# Altium PCB Test.PcbDoc (part 1 of 7) (continued)
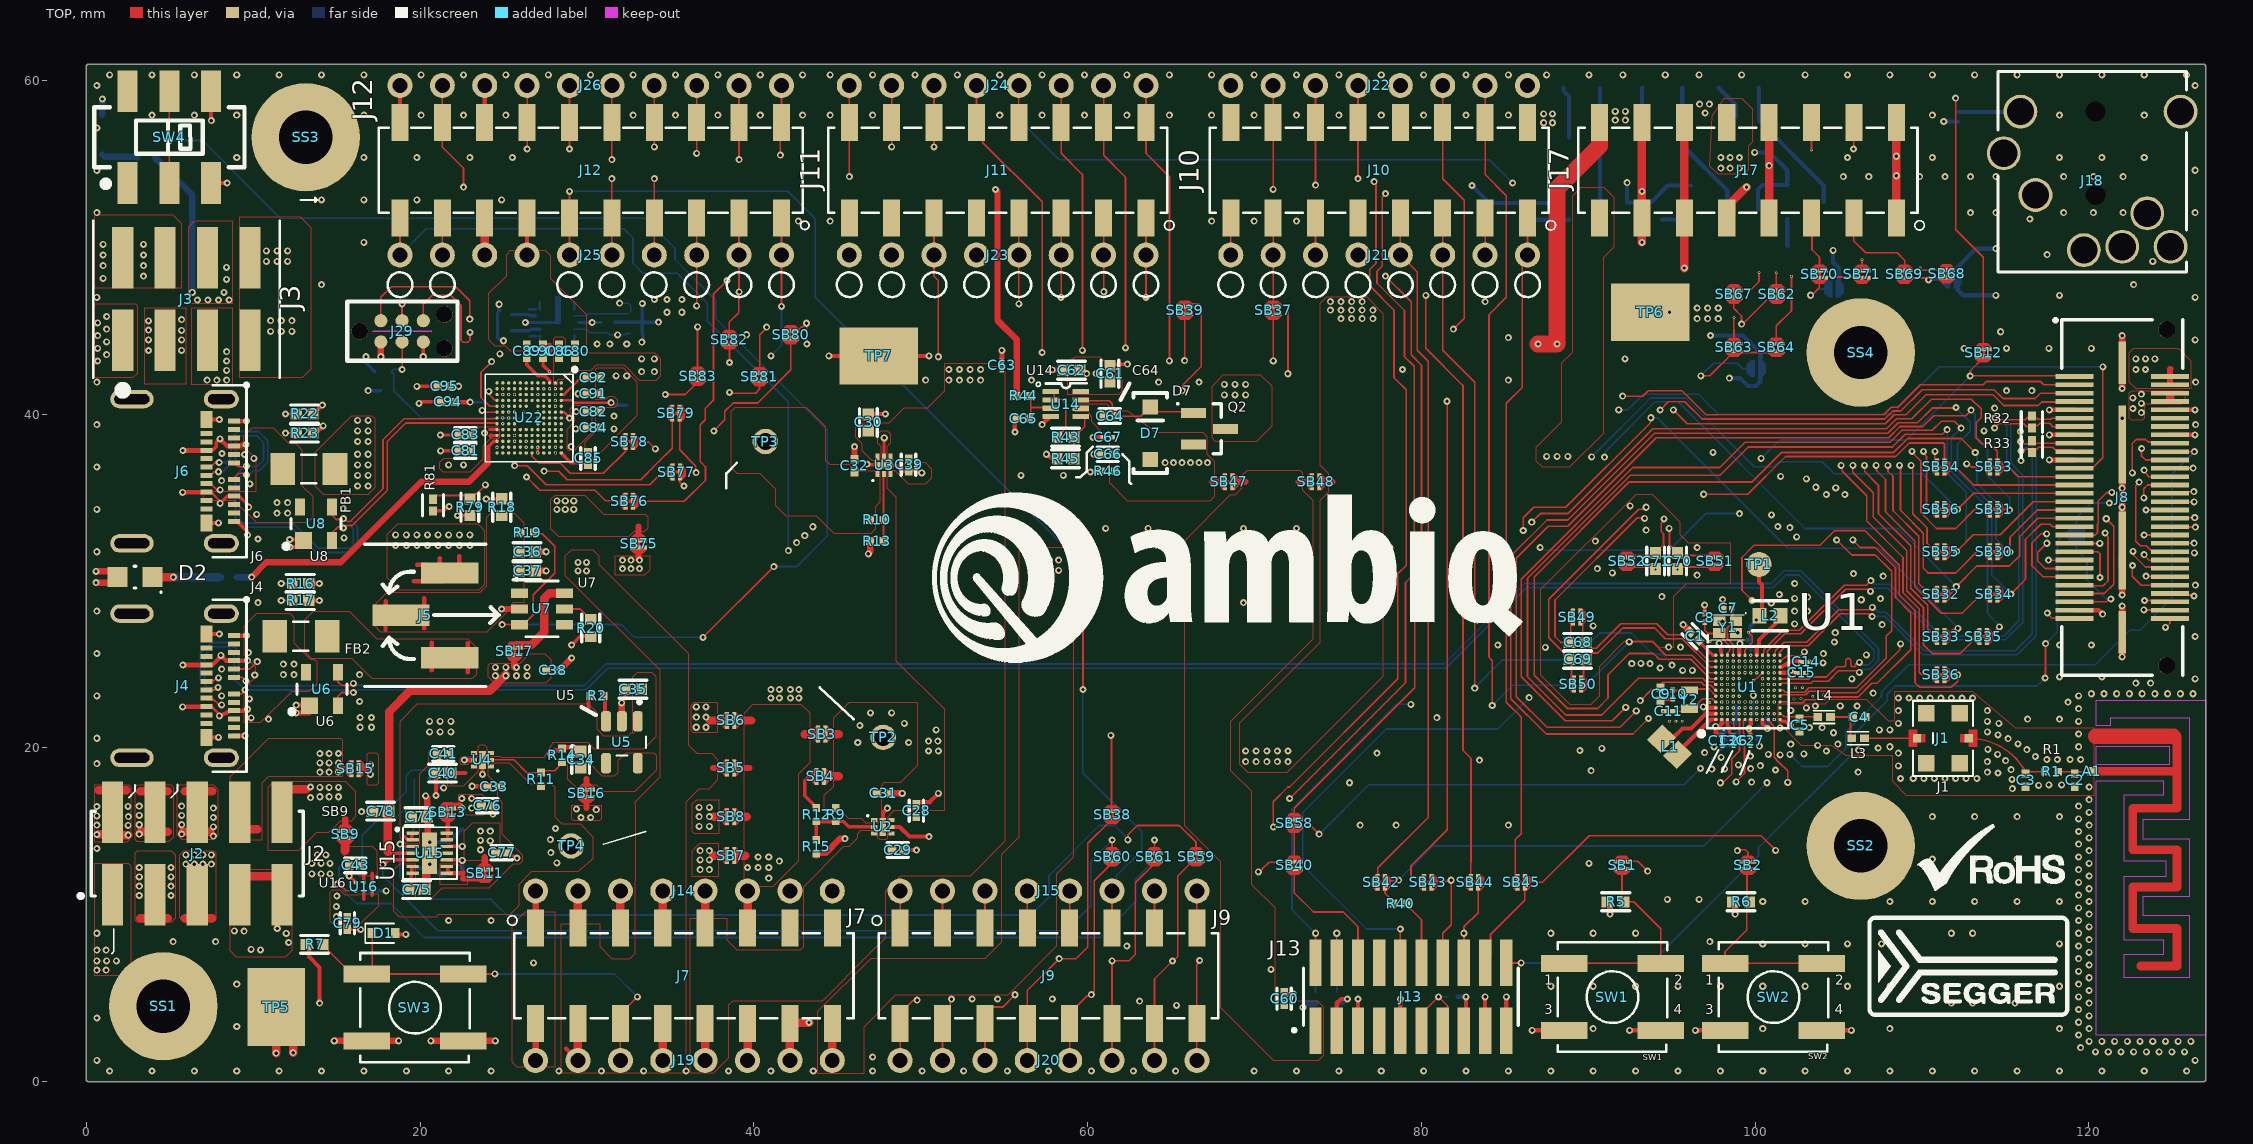
[diagram p0: TOP view]
## Components (designator, comment, footprint, x,y, rotation, side; value= is the part's Value field where it differs from the comment)
A1 "MIFA Antenna" PCB_MIFA_ANTENNA 120.17,18.59 r0 top
C1 "100nF" IPC_A#1 96.368,26.695 r135 top
C2 "2pF" IPC_C#1 119.151,18.059 r270 top
C3 "2pF" IPC_C#1 116.205,18.059 r270 top
C4 "1.5pF" IPC_C#1 106.223,21.844 r0 top
C5 "2pF" IPC_C#1 102.667,21.361 r270 top
C6 "4.7uF" IPC_C#1 100.228,25.857 r0 bottom
C7 "4pF" IPC_C#2 98.346,28.358 r180 top
C8 "4pF" IPC_C#2 96.979,27.786 r90 top
C9 "4.7nF" IPC_C#1 94.336,23.216 r270 top
C10 "6pF" IPC_C#2 95.072,23.216 r270 top
C11 "6pF" IPC_C#2 94.793,22.2 r180 top
C12 "2.2uF" IPC_C#2 98.222,21.234 r90 bottom
C13 "1uF" IPC_C#2 98.044,20.422 r270 top
C14 "1uF" IPC_C#2 103.022,25.146 r0 top
C15 "1uF" IPC_C#2 102.768,24.486 r0 top
C16 "1uF" IPC_C#2 96.901,21.285 r180 bottom
C17 "2.2uF" IPC_C#2 101.651,26.187 r270 bottom
C18 "2.2uF" IPC_C#2 97.993,25.527 r90 bottom
C19 "2.2uF" IPC_C#2 98.019,26.822 r180 bottom
C20 "1uF" IPC_C#2 100.736,22.073 r90 bottom
C21 "2.2uF" IPC_C#2 102.464,24.003 r0 bottom
C22 "2.2uF" IPC_C#2 102.337,23.139 r0 bottom
C23 "2.2uF" IPC_C#2 98.298,24.587 r0 bottom
C24 "2.2uF" IPC_C#2 97.282,22.047 r0 bottom
C25 "2.2uF" IPC_C#2 98.882,21.184 r270 bottom
C26 "2.2uF" IPC_C#2 98.704,20.422 r270 top
C27 "2.2uF" IPC_C#2 99.72,20.422 r270 top
C28 "1uF" IPC_A#1 49.737,16.237 r90 top
C29 "100nF" IPC_A#1 48.631,13.874 r0 top
C30 "1uF" IPC_A#2 46.863,39.497 r90 top
C31 "2.2uF" IPC_C#1 47.752,17.272 r0 top
C32 "2.2uF" IPC_C#1 46.03,36.905 r90 top
C33 "2.2uF" IPC_C#1 24.429,17.671 r180 top
C34 "1uF" IPC_A#2 29.624,19.289 r90 top
C35 "1uF" IPC_A#2 32.758,23.506 r180 top
C36 "0.1uF" IPC_A#2 26.416,31.75 r0 top
C37 "1uF" IPC_A#2 26.416,30.607 r0 top
C38 "4.7uF" IPC_C#1 27.94,24.638 r0 top
C39 "100nF" IPC_A#1 49.276,36.957 r270 top
C40 "1uF" IPC_A#2 21.338,18.488 r180 top
C41 "100nF" IPC_A#1 21.389,19.647 r180 top
C42 "2.2uF" IPC_C#2 97.434,23.312 r90 bottom
C43 "1uF" IPC_A#1 16.129,12.954 r180 top
C44 "1nF" IPC_C#1 25.019,46.057 r180 bottom
C45 "1nF" IPC_C#1 25.019,45.085 r180 bottom
C46 "100nF" IPC_B 27.593,47.463 r0 bottom
C47 "1uF" IPC_A#1 31.242,45.466 r0 bottom
C60 "1uF" IPC_A#1 71.78,4.978 r90 top
C61 "0.1uF" IPC_A#2 61.341,42.418 r90 top
C62 "0.1uF" IPC_A#2 59.033,42.624 r180 top
C63 "1uF" IPC_C#2 54.864,42.926 r90 top
C64 "100nF" IPC_A#1 61.341,39.878 r180 top locked
C65 "1nF" IPC_C#1 56.137,39.724 r180 top
C66 "100nF" IPC_A#1 61.214,37.592 r180 top
C67 "1uF" IPC_C#2 61.214,38.608 r180 top
C68 "0.1uF" IPC_A#2 89.357,26.314 r180 top
C69 "0.1uF" IPC_A#2 89.357,25.298 r180 top
C70 "0.1uF" IPC_A#2 95.352,31.191 r90 top
C71 "0.1uF" IPC_A#2 94.031,31.191 r90 top
C72 "1nF" IPC_C#1 22.53,14.605 r90 bottom
C73 "1nF" IPC_C#1 22.022,12.37 r180 bottom
C74 "1uF" IPC_A#2 19.939,15.875 r0 top
C75 "1uF" IPC_A#2 19.787,11.506 r0 top
C76 "100nF" IPC_A#1 24.022,16.533 r0 top
C77 "100nF" IPC_A#1 24.892,13.716 r0 top
C78 "1uF" IPC_A#2 17.628,16.205 r180 top
C79 "1uF" IPC_A#1 15.646,9.481 r270 top
C80 "1uF" IPC_C#1 29.297,43.761 r90 top
C81 "1uF" IPC_A#1 22.705,37.791 r180 top
C82 "1uF" IPC_C#1 30.375,40.153 r0 top
C83 "1uF" IPC_A#1 22.705,38.746 r180 top
C84 "2.2uF" IPC_C#1 30.372,39.184 r0 top
C85 "100nF" IPC_A#1 30.067,37.338 r90 top
C86 "2.2uF" IPC_C#1 28.329,43.761 r90 top
C87 "1uF" IPC_B 29.108,47.569 r180 bottom
C88 "1uF" IPC_B 29.011,43.408 r180 bottom
C89 "2.2uF" IPC_C#1 26.394,43.761 r90 top
C90 "2.2uF" IPC_C#1 27.367,43.761 r90 top
C91 "2.2uF" IPC_C#1 30.375,41.23 r0 top
C92 "2.2uF" IPC_C#1 30.375,42.185 r0 top
C93 "4.7nF" IPC_C#1 18.034,41.402 r180 bottom
C94 "2.2uF" IPC_C#1 21.658,40.729 r180 top
C95 "2.2uF" IPC_C#1 21.437,41.676 r180 top
C96 "100nF" IPC_B 27.51,43.517 r0 bottom
D1 "PESD5V0X1UB,135" SC79 17.81,8.891 r0 top
D2 "Green LED" LTST-C170KGKT 2.925,30.226 r180 top locked
D3 "APA2107VBC/D" 2106_LED_RA 94.437,60.274 r180 bottom
D4 "APA2107VBC/D" 2106_LED_RA 89.662,60.274 r180 bottom
D5 "APA2107VBC/D" 2106_LED_RA 99.009,60.274 r180 bottom
D7 "Schottky" SOD123_112X67 63.754,38.862 r270 top locked
D8 "APA2107VBC/D" 2106_LED_RA 0.724,56.744 r270 bottom locked
FB1 "80Ω @ 100MHz" IPC_A#3 13.335,36.703 r0 top locked
FB2 "80Ω @ 100MHz" IPC_A#3 12.856,26.686 r0 top locked
J1 "MM8430-2610" MM8430-2610 111.252,20.574 r90 top locked
J2 "TSM-105-01-X-DV" SMTC-TSM-105-01-X-DV 6.651,13.664 r0 top locked
J3 "TSM-104-01-S-DV" TSM-104-XX-XXX-DV 5.994,46.888 r180 top locked
J4 "105450-0101" CON24_C_USB_RA_TH 5.042,23.724 r270 top locked
J5 "TSM-103-01-L-SV" TSM-103-01-L-SV 20.32,27.94 r270 top locked
J6 "105450-0101" CON24_C_USB_RA_TH 5.042,36.576 r270 top locked
J7 "SSM-108-L-DV-P" SSM-108-X-DV-P 35.814,6.35 r180 top locked
J8 "QSH-030-01-L-D-A" SAMTEC_QSH-030-01-X-D-A 121.996,35.001 r270 top
J9 "SSM-108-L-DV-P" SSM-108-X-DV-P 57.658,6.35 r180 top locked
J10 "SSM-108-L-DV-P" SSM-108-X-DV-P 77.47,54.61 r0 top locked
J11 "SSM-108-L-DV-P" SSM-108-X-DV-P 54.61,54.61 r0 top locked
J12 "SSM-110-L-DV-P" SSM-110-X-DV-P 30.226,54.61 r0 top locked
J13 "FTSH-110-01-L-DV-K-P-TR" SAMTEC_FTSH-110-X-X-DV 79.375,5.08 r0 top locked
J14 "1x8 TP Array" TP35H59P_1X8 35.814,11.43 r180 top
J15 "1x8 TP Array" TP35H59P_1X8 57.658,11.43 r180 top
J17 "SSM-108-L-DV-P" SSM-108-X-DV-P 99.568,54.61 r0 top locked
J18 "SJ-435107" JACK_STEREO_RA_SJ-435107 120.197,54.526 r270 top
J19 "1x8 TP Array" TP35H59P_1X8 35.814,1.27 r180 top locked
J20 "1x8 TP Array" TP35H59P_1X8 57.658,1.27 r180 top
J21 "1x8 TP Array" TP35H59P_1X8 77.47,49.53 r0 top
J22 "1x8 TP Array" TP35H59P_1X8 77.47,59.69 r0 top
J23 "1x8 TP Array" TP35H59P_1X8 54.61,49.53 r0 top
J24 "1x8 TP Array" TP35H59P_1X8 54.61,59.69 r0 top
J25 "1x10 TP Array" TP35H59P_1X10 30.226,49.53 r0 top locked
J26 "1x10 TP Array" TP35H59P_1X10 30.226,59.69 r0 top
J29 "TC2030-IDC" TC2030-IDC-NL 18.923,44.958 r0 top
L1 "2.2uH" IPC_C#3 94.869,20.066 r135 top
L2 "1uH" IPC_C#4 100.889,27.915 r180 top
L3 "2.2nH" IPC_C#5 106.172,20.574 r180 top
L4 "2nH" IPC_C#5 104.14,21.844 r180 top
Q2 "MMBT3904LT1G" SOT23-3N 67.31,39.116 r0 top
Q3 "MMBT3904LT1G" SOT23-3N 97.231,52.68 r0 bottom
Q4 "MMBT3904LT1G" SOT23-3N 89.941,52.654 r0 bottom
Q5 "MMBT3904LT1G" SOT23-3N 103.022,52.705 r0 bottom
R1 "0 Ω" IPC_C#6 117.754,18.567 r180 top locked
R2 "10kΩ" IPC_C#6 30.607,23.114 r180 top
R4 "0 Ω" IPC_C#6 100.152,20.93 r270 bottom
R5 "100kΩ" IPC_A#4 91.643,10.77 r180 top
R6 "100kΩ" IPC_A#4 99.162,10.77 r180 top
R7 "100kΩ" IPC_A#4 13.684,8.219 r180 top
R9 "46.4kΩ" IPC_C#6 44.907,16.002 r90 top
R10 "61.9kΩ" IPC_C#6 47.371,33.655 r180 top
R11 "10kΩ" IPC_C#6 27.238,18.113 r270 top
R12 "392kΩ" IPC_C#6 43.739,16.002 r270 top
R13 "20kΩ" IPC_C#6 47.371,32.385 r180 top
R14 "80.6kΩ" IPC_C#6 28.499,19.558 r270 top
R15 "33.2kΩ" IPC_C#6 43.739,14.072 r90 top
R16 "5.1kΩ" IPC_A#4 12.827,29.845 r180 top
R17 "5.1kΩ" IPC_A#4 12.827,28.829 r180 top
R18 "4.7kΩ" IPC_A#4 24.892,34.423 r270 top
R19 "10kΩ" IPC_C#6 26.416,32.893 r0 top
R20 "44.2kΩ" IPC_A#4 30.226,27.178 r90 top
R22 "5.1kΩ" IPC_A#4 13.081,40.005 r180 top
R23 "5.1kΩ" IPC_A#4 13.081,38.862 r180 top
R32 "100Ω" IPC_A#1 116.586,39.522 r270 top
R33 "100Ω" IPC_A#1 116.586,38.049 r270 top
R34 "10kΩ" IPC_C#6 93.218,57.404 r270 bottom
R35 "10kΩ" IPC_C#6 88.341,56.566 r180 bottom
R36 "10kΩ" IPC_C#6 98.349,57.785 r180 bottom
R37 "100kΩ" IPC_A#4 73.66,5.029 r270 bottom
R38 "0 Ω" IPC_C#6 81.89,5.08 r180 bottom
R39 "100kΩ" IPC_A#4 74.93,5.029 r90 bottom
R40 "0 Ω" IPC_C#6 78.74,10.668 r0 top
R43 "51Ω" IPC_A#4 58.674,38.608 r0 top
R44 "10kΩ" IPC_C#6 56.137,41.092 r0 top
R45 "16.9kΩ" IPC_A#4 58.671,37.321 r0 top
R46 "10kΩ" IPC_C#6 61.214,36.576 r0 top
R48 "0 Ω" IPC_A#1 112.141,57.81 r90 bottom
R49 "2.2kΩ" IPC_A#4 3.556,55.372 r0 bottom
R51 "1MΩ" IPC_C#6 20.168,18.11 r180 bottom
R52 "1MΩ" IPC_C#6 20.168,16.485 r0 bottom
R53 "1MΩ" IPC_C#6 20.117,15.316 r0 bottom
R54 "1MΩ" IPC_C#6 19.634,13.31 r90 bottom
R56 "1MΩ" IPC_C#6 16.129,13.462 r0 bottom
R57 "1MΩ" IPC_C#6 16.51,11.049 r270 bottom
R62 "10kΩ" IPC_C#6 93.904,51.638 r180 bottom
R63 "10kΩ" IPC_C#6 92.329,52.172 r270 bottom
R64 "10kΩ" IPC_C#6 86.411,51.638 r180 bottom
R65 "10kΩ" IPC_C#6 84.811,52.146 r270 bottom
R66 "10kΩ" IPC_C#6 101.448,50.089 r180 bottom
R67 "10kΩ" IPC_C#6 100.178,51.714 r270 bottom
R71 "4.7kΩ" IPC_A#4 17.78,42.545 r180 bottom
R72 "0 Ω" IPC_C#6 32.385,41.021 r90 bottom
R74 "1MΩ" IPC_C#6 33.02,44.831 r180 bottom
R75 "1MΩ" IPC_C#6 33.02,46.101 r180 bottom
R76 "1kΩ" IPC_A#4 8.509,30.226 r180 bottom
R79 "178kΩ" IPC_A#4 22.987,34.417 r270 top
R81 "100kΩ" IPC_A#1 20.777,34.546 r90 top
SB1 "Solder short" SB39X18_SHORTED 92.025,12.954 r270 top net-tie
SB2 "Solder short" SB39X18_SHORTED 99.568,12.954 r270 top net-tie
SB3 "SBO" SB39X18 44.069,20.828 r180 top
SB4 "SBO" SB39X18 43.976,18.288 r0 top
SB5 "SBO" SB39X18 38.608,18.796 r0 top
SB6 "SBS" SB39X18_SHORTED 38.608,21.638 r180 top net-tie
SB7 "SBS" SB39X18_SHORTED 38.608,13.548 r180 top net-tie
SB8 "SBS" SB39X18_SHORTED 38.608,15.875 r180 top net-tie
SB9 "Solder short" SB39X18_SHORTED 15.519,14.808 r90 top locked net-tie
SB10 "Solder short" SB39X18_SHORTED 119.253,32.766 r270 bottom net-tie
SB11 "Solder short" SB39X18_SHORTED 23.876,12.497 r90 top net-tie
SB12 "Solder short" SB39X18_SHORTED 113.665,43.663 r90 top net-tie
SB13 "Solder short" SB39X18_SHORTED 21.641,16.154 r90 top net-tie
SB15 "SBO" SB39X18 16.104,18.745 r0 top
SB16 "SBS" SB39X18_SHORTED 29.972,17.272 r270 top net-tie
SB17 "Solder short" SB39X18_SHORTED 25.654,25.781 r270 top net-tie
SB30 "Solder short" SB39X18_SHORTED 114.3,31.75 r180 top net-tie
SB31 "Solder short" SB39X18_SHORTED 114.3,34.29 r180 top net-tie
SB32 "Solder short" SB39X18_SHORTED 111.125,29.21 r180 top net-tie
SB33 "Solder short" SB39X18_SHORTED 111.125,26.67 r180 top net-tie
SB34 "Solder short" SB39X18_SHORTED 114.3,29.21 r180 top net-tie
SB35 "Solder short" SB39X18_SHORTED 113.665,26.67 r180 top net-tie
SB36 "Solder short" SB39X18_SHORTED 111.125,24.384 r180 top net-tie
SB37 "SBS" SB39X18_SHORTED 71.12,46.228 r270 top net-tie
SB38 "SBS" SB39X18_SHORTED 61.468,16.002 r90 top net-tie
SB39 "SBS" SB39X18_SHORTED 65.82,46.228 r270 top net-tie
SB40 "Solder short" SB39X18_SHORTED 72.39,12.954 r90 top net-tie
SB42 "Solder short" SB39X18_SHORTED 77.597,11.938 r180 top net-tie
SB43 "Solder short" SB39X18_SHORTED 80.391,11.938 r180 top net-tie
SB44 "Solder short" SB39X18_SHORTED 83.185,11.938 r180 top net-tie
SB45 "Solder short" SB39X18_SHORTED 85.979,11.938 r180 top net-tie
SB47 "Solder short" SB39X18_SHORTED 68.453,35.941 r0 top net-tie
SB48 "Solderbridge" SB39X18 73.66,35.941 r0 top
SB49 "Solderbridge" SB39X18 89.306,27.838 r180 top
SB50 "Solderbridge" SB39X18 89.357,23.825 r180 top
SB51 "Solderbridge" SB39X18 97.587,31.191 r90 top
SB52 "Solderbridge" SB39X18 92.304,31.191 r90 top
SB53 "Solder short" SB39X18_SHORTED 114.3,36.83 r180 top net-tie
SB54 "Solder short" SB39X18_SHORTED 111.125,36.83 r180 top net-tie
SB55 "Solder short" SB39X18_SHORTED 111.125,31.75 r180 top net-tie
SB56 "Solder short" SB39X18_SHORTED 111.125,34.29 r180 top net-tie
SB58 "Solder short" SB39X18_SHORTED 72.39,15.494 r90 top net-tie
SB59 "Solder short" SB39X18_SHORTED 66.501,13.462 r90 top net-tie
SB60 "Solder short" SB39X18_SHORTED 61.468,13.462 r90 top net-tie
SB61 "Solder short" SB39X18_SHORTED 64.008,13.462 r90 top net-tie
SB62 "Solder short" SB39X18_SHORTED 101.296,47.193 r90 top net-tie
SB63 "Solder short" SB39X18_SHORTED 98.73,43.993 r90 top net-tie
SB64 "Solderbridge" SB39X18 101.27,43.993 r90 top
SB67 "Solder short" SB39X18_SHORTED 98.73,47.193 r90 top net-tie
SB68 "Solder short" SB39X18_SHORTED 111.468,48.405 r90 top net-tie
SB69 "Solder short" SB39X18_SHORTED 108.942,48.387 r90 top net-tie
SB70 "Solder short" SB39X18_SHORTED 103.856,48.387 r90 top net-tie
SB71 "Solderbridge" SB39X18 106.401,48.387 r90 top
SB72 "Solderbridge" SB39X18 104.724,47.498 r0 bottom
SB73 "Solderbridge" SB39X18 100.076,42.723 r0 bottom
SB74 "Solderbridge" SB39X18 111.785,48.031 r0 bottom
SB75 "Solder short" SB39X18_SHORTED 33.091,32.215 r90 top net-tie
SB76 "Solder short" SB39X18_SHORTED 32.537,34.773 r0 top net-tie
SB77 "Solder short" SB39X18_SHORTED 35.357,36.525 r0 top net-tie
SB78 "Solder short" SB39X18_SHORTED 32.537,38.354 r0 top net-tie
SB79 "Solder short" SB39X18_SHORTED 35.331,40.056 r0 top net-tie
SB80 "Solder short" SB39X18_SHORTED 42.215,44.755 r90 top net-tie
SB81 "Solder short" SB39X18_SHORTED 40.335,42.24 r90 top net-tie
SB82 "Solder short" SB39X18_SHORTED 38.532,44.45 r90 top net-tie
SB83 "Solder short" SB39X18_SHORTED 36.627,42.266 r90 top net-tie
SS1 "M3 Standoff" 25502 4.623,4.521 r0 top locked
SS2 "M3 Standoff" 25502 106.324,14.122 r0 top
SS3 "M3 Standoff" 25502 13.157,56.591 r0 top
SS4 "M3 Standoff" 25502 106.324,43.688 r0 top
SW1 "KSC441J 70SH LFS" SW4_SPST_7P7_SM 91.44,5.08 r0 top locked
SW2 "KSC441J 70SH LFS" SW4_SPST_7P7_SM 101.092,5.08 r0 top locked
SW3 "KSC441J 70SH LFS" SW4_SPST_7P7_SM 19.685,4.445 r0 top
SW4 "JS202011SCQN" JS202011SCQN 4.978,56.591 r0 top locked
TP1 "PAD" TPPAD_1.5mm 100.228,30.988 r0 top
TP2 "Blue Ring" 5117 47.752,20.625 r0 top
TP3 "Blue Ring" 5117 40.691,38.354 r0 top
TP4 "Blue Ring" 5117 29.058,14.122 r0 top
TP5 "HOOK" TP5016_4.7x3.43 11.379,4.47 r270 top
TP6 "HOOK" TP5016_4.7x3.43 93.726,46.101 r0 top
TP7 "HOOK" TP5016_4.7x3.43 47.498,43.485 r180 top
TP8 "PAD" TPPAD_1.5mm 98.806,22.479 r0 bottom
TP9 "PAD" TPPAD_1.5mm 95.606,22.454 r0 bottom
U1 "AMA4B2KK-KXR-B2" BGA131_0P35_4P7X4P7 99.568,23.622 r90 top locked
U2 "NCP133AMXADJTCG" SON40P120X45_HS-7N 47.735,15.264 r0 top
U3 "NCP133AMXADJTCG" SON40P120X45_HS-7N 47.803,36.932 r90 top
U4 "NCP133AMXADJTCG" SON40P120X45_HS-7N 23.742,19.285 r180 top
U5 "TPS7A0218DBVR" SOT95P280X145-5N 32.096,20.334 r270 top locked
U6 "PRTR5V0U2X" SOT143L 14.122,23.52 r90 top locked
U7 "NCP380LSNAJAAT1G" TSOP6_1P70X3P10_ONS 27.305,28.321 r0 top locked
U8 "PRTR5V0U2X" SOT143L 13.767,33.426 r90 top locked
U14 "MAX44263AXA+T" SC70_8_2X2MM 58.7,40.598 r0 top locked
U15 "TPS22976DPUR" R-PWSON50P300x200-N14 20.574,13.691 r270 top locked
U16 "TPS22922" BGA6C50P2X3_90X140X55 16.637,11.684 r270 top locked
U18 "TPS22976DPUR" R-PWSON50P300x200-N14 28.203,45.485 r270 bottom locked
U22 "AMAP42KK-KBR" BGA146C35P13X12_390X430X350 26.537,39.768 r270 top
Y1 "32MHz" XOSC_ABM12W_1.2x1.6 98.349,27.229 r0 top
Y2 "32.768kHz" XTAL2-1p6x1p0-SM 96.063,22.885 r270 top

## Footprints (in the part's own frame and the unit in brackets; to place one, negate y for a bottom-side part, rotate by r counter-clockwise, add the part's x,y. Pads: shape width x height; smd on the part's side, far side on the other; paste and mask are expansions set on the pad)
2106_LED_RA [mil] "2106_LED_RA"
  rect 35x39 smd mask+1.97: 1(-47.2,-9.5) 2(47.2,-9.5)
  silkscreen extent -73,-29 -73,10, body extent -41,-10 41,30, height 24
5117 [mm] "Through hole test point footprint"
  round 1.528 hole 1.02: TP(0,0)
  body extent -1.26,-1.27 1.28,1.27, height 3.18
25502 [mm] "Hex Standoff Threaded M3 Nylon 0.472\" (12.00mm) Natural"
  round 6.5 hole 3.2: 1(0,0)
  body extent -2.89,-2.5 2.89,2.5, height 7
BGA6C50P2X3_90X140X55 [mm] "BGA, 6-Leads, Body 0.90x1.40mmx0.55mm, Pitch 0.50mm"
  round 0.25 smd mask+0.05: A1(-0.25,0.5) A2(0.25,0.5) B1(-0.25,0) B2(0.25,0) C1(-0.25,-0.5) C2(0.25,-0.5)
  silkscreen extent -0.6,0.76 -0.51,0.85, body extent -0.45,-0.7 0.45,0.7, height 0.55
BGA131_0P35_4P7X4P7 [mm] "BGA131_0P35_4P7X4P7"
  round 0.2 smd mask+0.03: A1(-1.925,1.925) A2(-1.575,1.925) A3(-1.225,1.925) A4(-0.875,1.925) A5(-0.525,1.925) A6(-0.175,1.925) A7(0.175,1.925) A8(0.525,1.925) A9(0.875,1.925) A10(1.225,1.925) A11(1.575,1.925) A12(1.925,1.925) B1(-1.925,1.575) B2(-1.575,1.575) B3(-1.225,1.575) B4(-0.875,1.575) B5(-0.525,1.575) B6(-0.175,1.575) B7(0.175,1.575) B8(0.525,1.575) B9(0.875,1.575) B10(1.225,1.575) B11(1.575,1.575) B12(1.925,1.575) C1(-1.925,1.225) C2(-1.575,1.225) C3(-1.225,1.225) C4(-0.875,1.225) C5(-0.525,1.225) C6(-0.175,1.225) C7(0.175,1.225) C8(0.525,1.225) C9(0.875,1.225) C10(1.225,1.225) C11(1.575,1.225) C12(1.925,1.225) D1(-1.925,0.875) D2(-1.575,0.875) D3(-1.225,0.875) D4(-0.875,0.875) D5(-0.525,0.875) D6(-0.175,0.875) D7(0.175,0.875) D8(0.525,0.875) D9(0.875,0.875) D10(1.225,0.875) D11(1.575,0.875) D12(1.925,0.875) E1(-1.925,0.525) E2(-1.575,0.525) E3(-1.225,0.525) E4(-0.875,0.525) E5(-0.525,0.525) E6(-0.175,0.525) E7(0.175,0.525) E8(0.525,0.525) E9(0.875,0.525) E10(1.225,0.525) E11(1.575,0.525) E12(1.925,0.525) F1(-1.925,0.175) F2(-1.575,0.175) F3(-1.225,0.175) F4(-0.875,0.175) F9(0.875,0.175) F10(1.225,0.175) F11(1.575,0.175) F12(1.925,0.175) G1(-1.925,-0.175) G2(-1.575,-0.175) G3(-1.225,-0.175) G4(-0.875,-0.175) G9(0.875,-0.175) G10(1.225,-0.175) G11(1.575,-0.175) G12(1.925,-0.175) H1(-1.925,-0.525) H2(-1.575,-0.525) H3(-1.225,-0.525) H4(-0.875,-0.525) H9(0.875,-0.525) H10(1.225,-0.525) H11(1.575,-0.525) H12(1.925,-0.525) J1(-1.925,-0.875) J2(-1.575,-0.875) J3(-1.225,-0.875) J4(-0.875,-0.875) J5(-0.525,-0.875) J6(-0.175,-0.875) J7(0.175,-0.875) J8(0.525,-0.875) J9(0.875,-0.875) J10(1.225,-0.875) J11(1.575,-0.875) J12(1.925,-0.875) K1(-1.925,-1.225) K2(-1.575,-1.225) K3(-1.225,-1.225) K4(-0.875,-1.225) K5(-0.525,-1.225) K6(-0.175,-1.225) K7(0.175,-1.225) K8(0.525,-1.225) K9(0.875,-1.225) K10(1.225,-1.225) K11(1.575,-1.225) K12(1.925,-1.225) L1(-1.925,-1.575) L2(-1.575,-1.575) L4(-0.875,-1.575) L5(-0.525,-1.575) L6(-0.175,-1.575) L7(0.175,-1.575) L8(0.525,-1.575) L9(0.875,-1.575) L10(1.225,-1.575) L11(1.575,-1.575) L12(1.925,-1.575) M1(-1.925,-1.925) M2(-1.575,-1.925) M3(-1.225,-1.925) M4(-0.875,-1.925) M5(-0.525,-1.925) M6(-0.175,-1.925) M7(0.175,-1.925) M8(0.525,-1.925) M9(0.875,-1.925) M10(1.225,-1.925) M11(1.575,-1.925) M12(1.925,-1.925)
  silkscreen extent -2.87,-2.45 2.45,2.89, body extent -2.45,-2.45 2.45,2.45, height 0.5
BGA146C35P13X12_390X430X350 [mm] "BGA, 146-Leads, Body 3.91x4.31mmx3.50mm, Pitch 0.35mm"
  round 0.2 smd paste+0 mask+0.03: A1(-2.1,1.925) A2(-1.75,1.925) A3(-1.4,1.925) A4(-1.05,1.925) A5(-0.7,1.925) A6(-0.35,1.925) A7(0,1.925) A8(0.35,1.925) A9(0.7,1.925) A10(1.05,1.925) A11(1.4,1.925) A12(1.75,1.925) A13(2.1,1.925) B1(-2.1,1.575) B2(-1.75,1.575) B3(-1.4,1.575) B4(-1.05,1.575) B5(-0.7,1.575) B6(-0.35,1.575) B7(0,1.575) B8(0.35,1.575) B9(0.7,1.575) B10(1.05,1.575) B11(1.4,1.575) B12(1.75,1.575) B13(2.1,1.575) C1(-2.1,1.225) C2(-1.75,1.225) C3(-1.4,1.225) C4(-1.05,1.225) C5(-0.7,1.225) C6(-0.35,1.225) C7(0,1.225) C8(0.35,1.225) C9(0.7,1.225) C10(1.05,1.225) C11(1.4,1.225) C12(1.75,1.225) C13(2.1,1.225) D1(-2.1,0.875) D2(-1.75,0.875) D3(-1.4,0.875) D4(-1.05,0.875) D5(-0.7,0.875) D6(-0.35,0.875) D7(0,0.875) D8(0.35,0.875) D9(0.7,0.875) D10(1.05,0.875) D11(1.4,0.875) D12(1.75,0.875) D13(2.1,0.875) E1(-2.1,0.525) E2(-1.75,0.525) E3(-1.4,0.525) E4(-1.05,0.525) E5(-0.7,0.525) E6(-0.35,0.525) E7(0,0.525) E8(0.35,0.525) E9(0.7,0.525) E10(1.05,0.525) E11(1.4,0.525) E12(1.75,0.525) E13(2.1,0.525) F1(-2.1,0.175) F2(-1.75,0.175) F3(-1.4,0.175) F4(-1.05,0.175) F9(0.7,0.175) F10(1.05,0.175) F11(1.4,0.175) F12(1.75,0.175) F13(2.1,0.175) G1(-2.1,-0.175) G2(-1.75,-0.175) G3(-1.4,-0.175) G4(-1.05,-0.175) G5(-0.7,-0.175) G9(0.7,-0.175) G10(1.05,-0.175) G11(1.4,-0.175) G12(1.75,-0.175) G13(2.1,-0.175) H1(-2.1,-0.525) H2(-1.75,-0.525) H3(-1.4,-0.525) H4(-1.05,-0.525) H5(-0.7,-0.525) H9(0.7,-0.525) H10(1.05,-0.525) H11(1.4,-0.525) H12(1.75,-0.525) H13(2.1,-0.525) J1(-2.1,-0.875) J2(-1.75,-0.875) J3(-1.4,-0.875) J4(-1.05,-0.875) J5(-0.7,-0.875) J6(-0.35,-0.875) J7(0,-0.875) J8(0.35,-0.875) J9(0.7,-0.875) J10(1.05,-0.875) J11(1.4,-0.875) J12(1.75,-0.875) J13(2.1,-0.875) K1(-2.1,-1.225) K2(-1.75,-1.225) K3(-1.4,-1.225) K4(-1.05,-1.225) K5(-0.7,-1.225) K6(-0.35,-1.225) K7(0,-1.225) K8(0.35,-1.225) K9(0.7,-1.225) K10(1.05,-1.225) K11(1.4,-1.225) K12(1.75,-1.225) K13(2.1,-1.225) L1(-2.1,-1.575) L2(-1.75,-1.575) L3(-1.4,-1.575) L4(-1.05,-1.575) L5(-0.7,-1.575) L6(-0.35,-1.575) L7(0,-1.575) L8(0.35,-1.575) L9(0.7,-1.575) L10(1.05,-1.575) L11(1.4,-1.575) L12(1.75,-1.575) L13(2.1,-1.575) M1(-2.1,-1.925) M2(-1.75,-1.925) M3(-1.4,-1.925) M4(-1.05,-1.925) M5(-0.7,-1.925) M6(-0.35,-1.925) M7(0,-1.925) M8(0.35,-1.925) M9(0.7,-1.925) M10(1.05,-1.925) M11(1.4,-1.925) M12(1.75,-1.925) M13(2.1,-1.925)
  silkscreen extent -3,-2.62 2.63,2.84, body extent -2.5,-2.5 2.5,2.5, height 0.58
CON24_C_USB_RA_TH [mm] "CON24_C_USB_RA_TH"
  rect 0.3x0.701 smd mask+0.051: A1(-3,3.813) A2(-2.499,3.813) A3(-2.002,3.813) A4(-1.501,3.813) A5(-1.001,3.813) A6(-0.5,3.813) A7(0.5,3.813) A8(1.001,3.813) A9(1.499,3.813) A10(1.999,3.813) A11(2.499,3.813) A12(3,3.813) B2(2.25,2.164) B3(1.75,2.164) B4(1.25,2.164) B5(0.749,2.164) B6(0.251,2.164) B7(-0.249,2.164) B8(-0.749,2.164) B9(-1.25,2.164) B10(-1.75,2.164) B11(-2.248,2.164)
  rect 1.001x0.701 smd mask+0.051: B1(3.099,2.164) B12(-3.099,2.164)
  oval 1.1x2.6 hole 0.6 slot 2.1 at 90 deg mask+0.051: SH1(-4.321,-2.306) SH2(4.321,-2.306)
  oval 1.1x2.1 hole 0.6 slot 1.6 at 90 deg mask+0.051: SH3(4.321,3.053) SH4(-4.321,3.053)
  silkscreen extent -5.27,2.53 5.16,4.68, body extent -4.47,-4.08 4.47,3.82, height 3.28
IPC_A#1 [mm]
  rect 0.554x0.463 smd mask+0.025: 1(-0.354,0) 2(0.354,0)
  silkscreen extent -0.64,-0.43 0.64,0.43, body extent -0.31,-0.17 0.32,0.16, height 0.33
IPC_A#2 [mm]
  rect 0.715x0.672 smd mask+0.051: 1(-0.479,0) 2(0.479,0)
  silkscreen extent -0.83,-0.53 0.83,0.53, body extent -1.04,-0.54 1.04,0.54, height 0.25
IPC_A#3 [mm] "Chip Inductor, 2-Leads, Body 3.20x1.60mm, IPC Low Density"
  rect 1.47x1.92 smd: 1(-1.57,0) 2(1.57,0)
  silkscreen extent -0.45,-0.86 0.45,0.86, body extent -1.75,-0.9 1.75,0.9, height 1.1
IPC_A#4 [mm]
  rect 0.668x0.672 smd mask+0.051: 1(-0.502,0) 2(0.502,0)
  silkscreen extent -0.83,-0.54 0.84,0.54, body extent -0.53,-0.27 0.53,0.28, height 0.4
IPC_B [mm]
  rect 0.454x0.363 smd mask+0.025: 1(-0.304,0) 2(0.304,0)
  body extent -0.31,-0.17 0.32,0.16, height 0.33
IPC_C#1 [mm]
  rect 0.515x0.472 smd mask+0.051: 1(-0.379,0) 2(0.379,0)
  body extent -0.74,-0.38 0.74,0.38, height 0.25
IPC_C#2 [mm]
  rect 0.354x0.263 smd mask+0.025: 1(-0.254,0) 2(0.254,0)
  body extent -0.31,-0.17 0.32,0.16, height 0.33
IPC_C#3 [mm]
  rect 1.154x1.306 smd mask+0.051: 1(-0.676,0) 2(0.676,0)
  body extent -1.35,-0.8 1.35,0.8, height 0.25
IPC_C#4 [mm]
  rect 0.855x0.906 smd paste+0 mask+0: 1(-0.626,0) 2(0.626,0)
  silkscreen extent -1.05,-0.9 1.05,0.9, body extent -1.15,-0.6 1.15,0.6, height 0.25
IPC_C#5 [mm]
  rect 0.515x0.472 smd paste+0 mask+0.05: 1(-0.379,0) 2(0.379,0)
  silkscreen extent -0.64,-0.38 0.64,0.38, body extent -0.74,-0.38 0.74,0.38, height 0.25
IPC_C#6 [mm]
  rect 0.468x0.472 smd mask+0.051: 1(-0.402,0) 2(0.402,0)
  body extent -0.53,-0.27 0.53,0.28, height 0.4
JACK_STEREO_RA_SJ-435107 [mil] "JACK_STEREO_RA_SJ-435107"
  round 80 hole 64: 1(185.1,-19.75) 2(55.1,-133.85) 3(177.2,70.85) 4(-141.7,-169.35) 5(98.4,129.85) 6(177.2,185.05) 7(-43.3,-208.65) 8(-141.7,208.65)
  round 10 hole 47 unplated: ""(-141.7,7.85) ""(55.1,7.85)
  silkscreen extent -236,-222 236,222, body extent -354,-222 236,222, height 250
JS202011SCQN [mm]
  rect 1.2x2.5 smd: 1(-2.5,-2.75) 2(0,-2.75) 3(2.5,-2.75) 4(-2.5,2.75) 5(0,2.75) 6(2.5,2.75)
  silkscreen extent -4.5,-2.92 4.5,1.8, body extent -4.6,-3.5 4.6,3.5, height 3.6
LTST-C170KGKT [mm] "SMD, 2-Leads, Body 2.00x1.25mm"
  rect 1.2x1.2 smd: 1(-1.05,0) 2(1.05,0)
  silkscreen extent -1.6,-0.65 0.05,0.95, body extent -1,-0.63 1,0.63, height 1.1
MM8430-2610 [mm] "MM8430-2610"
  rect 0.498x0.498 smd paste+0 mask+0.102: 1(0,1.557)
  rect 0.5x0.5 smd mask+0.102: 2(0,-1.557)
  rect 1.001x1.001 smd mask+0.05: 3(1.501,1.001) 4(1.501,-1.001) 5(-1.501,-1.001) 6(-1.501,1.001)
  TOP region: 0.249,-1.049 0.249,-1.549 0.5,-1.549 0.5,-2.05 -0.5,-2.05 -0.5,-1.549 -0.249,-1.549 -0.249,-1.049 0.249,-1.049
  TOP region: 0.249,-1.049 0.249,-1.549 0.5,-1.549 0.5,-2.05 -0.5,-2.05 -0.5,-1.549 -0.249,-1.549 -0.249,-1.049 0.249,-1.049
  TOP region: -0.249,1.049 -0.249,1.549 -0.5,1.549 -0.5,2.05 0.5,2.05 0.5,1.549 0.249,1.549 0.249,1.049 -0.249,1.049
  silkscreen extent -2.25,-1.8 2.25,1.8, body extent -1.5,-1.5 1.5,1.5, height 1.75
PCB_MIFA_ANTENNA [mil] "PCB_MIFA_ANTENNA"
  rect 19x20.7 smd paste-99999 mask+4: 1(0,0)
  TOP lines w20.7: 0.9,0.1 200.9,0.1 ; 115.9,-458.9 200.9,-458.9 200.9,-370.9 96.9,-370.9 96.9,-272.9 200.9,-272.9 200.9,-184.9 96.9,-184.9 96.9,-86.9 200.9,-86.9 200.9,0.1 ; 200.9,83.1 200.9,0.1
  TOP lines w36: 8.9,83.1 192.9,83.1
  TOP keep-out region: 182.89,59.13 182.89,15.91 10.9,15.91 10.9,59.13
  TOP keep-out region: 43.9,124.91 43.9,108.04 11,108.04 11,124.91 11,167.4 268.9,167.4 268.9,-622.6 11,-622.6 11,-22.13 168.9,-22.13 168.9,-56.09 75.99,-56.09 75.99,-211.29 174.01,-211.29 174.01,-248.27 75.99,-248.27 75.99,-397.45 168.9,-397.45 168.9,-432.28 75.99,-432.28 75.99,-485.16 231.19,-485.16 231.19,-340.27 121.99,-340.27 121.99,-295.13 231.19,-295.13 231.19,-160.13 121.99,-160.13 121.99,-113.27 231.19,-113.27 231.19,124.91
  LY2 - GND keep-out region: 11,-622.6 271,-622.6 271,167.4 11,167.4
  BOTTOM keep-out region: 11,-622.6 271,-622.6 271,167.4 11,167.4
R-PWSON50P300x200-N14 [mm] "Texas Instruments DPU Package"
  rrect50% 0.2x0.75 smd mask+0.05: 1(-1.2,-1.025) 2(-0.8,-1.025) 3(-0.4,-1.025) 4(0,-1.025) 5(0.4,-1.025) 6(0.8,-1.025) 7(1.2,-1.025) 8(1.2,1.025) 9(0.8,1.025) 10(0.4,1.025) 11(0,1.025) 12(-0.4,1.025) 13(-0.8,1.025) 14(-1.2,1.025)
  rect 2.5x0.9 smd paste-1 mask+0.05: PAD(0,0)
  silkscreen extent -1.55,-1.99 1.55,1.64, body extent -1.55,-1.05 1.55,1.05, height 0.8
SAMTEC_FTSH-110-X-X-DV [mm]
  rect 0.74x2.79 smd: 1(-5.715,-2.035) 2(-5.715,2.035) 3(-4.445,-2.035) 4(-4.445,2.035) 5(-3.175,-2.035) 6(-3.175,2.035) 7(-1.905,-2.035) 8(-1.905,2.035) 9(-0.635,-2.035) 10(-0.635,2.035) 11(0.635,-2.035) 12(0.635,2.035) 13(1.905,-2.035) 14(1.905,2.035) 15(3.175,-2.035) 16(3.175,2.035) 17(4.445,-2.035) 18(4.445,2.035) 19(5.715,-2.035) 20(5.715,2.035)
  silkscreen extent -7.1,-2.1 6.44,1.72, body extent -6.35,-4.44 6.35,2.92, height 6.58
SAMTEC_QSH-030-01-X-D-A [mm]
  rect 0.279x2.27 smd mask+0.05: 01(-7.25,-2.865) 02(-7.25,2.865) 03(-6.75,-2.865) 04(-6.75,2.865) 05(-6.25,-2.865) 06(-6.25,2.865) 07(-5.75,-2.865) 08(-5.75,2.865) 09(-5.25,-2.865) 10(-5.25,2.865) 11(-4.75,-2.865) 12(-4.75,2.865) 13(-4.25,-2.865) 14(-4.25,2.865) 15(-3.75,-2.865) 16(-3.75,2.865) 17(-3.25,-2.865) 18(-3.25,2.865) 19(-2.75,-2.865) 20(-2.75,2.865) 21(-2.25,-2.865) 22(-2.25,2.865) 23(-1.75,-2.865) 24(-1.75,2.865) 25(-1.25,-2.865) 26(-1.25,2.865) 27(-0.75,-2.865) 28(-0.75,2.865) 29(-0.25,-2.865) 30(-0.25,2.865) 31(0.25,-2.865) 32(0.25,2.865) 33(0.75,-2.865) 34(0.75,2.865) 35(1.25,-2.865) 36(1.25,2.865) 37(1.75,-2.865) 38(1.75,2.865) 39(2.25,-2.865) 40(2.25,2.865) 41(2.75,-2.865) 42(2.75,2.865) 43(3.25,-2.865) 44(3.25,2.865) 45(3.75,-2.865) 46(3.75,2.865) 47(4.25,-2.865) 48(4.25,2.865) 49(4.75,-2.865) 50(4.75,2.865) 51(5.25,-2.865) 52(5.25,2.865) 53(5.75,-2.865) 54(5.75,2.865) 55(6.25,-2.865) 56(6.25,2.865) 57(6.75,-2.865) 58(6.75,2.865) 59(7.25,-2.865) 60(7.25,2.865)
  rect 2.54x0.43 smd mask+0.05: S1(-8.065,0) S4(8.065,0)
  rect 4.7x0.43 smd mask+0.05: S2(-3.175,0) S3(3.175,0)
  round 1.02 hole 1.02 unplated: ""(-10.065,2.67) ""(10.065,2.67)
  silkscreen extent -10.72,-4.1 10.66,3.62, body extent -10.64,-3.75 10.64,3.75, height 3.05
SB39X18 [mm] "SB39X18"
  rect 0.236x1 smd paste-2539.97 mask+0.102: 1(-0.22,0) 2(0.22,0)
  TOP region: 0.572,0.264 0.572,-0.264 0.338,-0.5 0.102,-0.5 0.102,0.5 0.338,0.5 0.572,0.264
  TOP region: 0.572,0.264 0.572,-0.264 0.338,-0.5 0.102,-0.5 0.102,0.5 0.338,0.5 0.572,0.264
  TOP region: -0.572,-0.264 -0.572,0.264 -0.338,0.5 -0.102,0.5 -0.102,-0.5 -0.338,-0.5 -0.572,-0.264
  TOP region: -0.572,-0.264 -0.572,0.264 -0.338,0.5 -0.102,0.5 -0.102,-0.5 -0.338,-0.5 -0.572,-0.264
SB39X18_SHORTED [mm] "SB39X18_SHORTED"
  rect 0.236x1 smd paste-2539.97 mask+0.102: 1(-0.22,0) 2(0.22,0)
  TOP region: -0.481,-0.101 0.481,-0.101 0.481,0.102 -0.481,0.102
  TOP region: 0.571,0.264 0.571,-0.264 0.338,-0.5 0.102,-0.5 0.102,0.5 0.338,0.5 0.571,0.264
  TOP region: 0.571,0.264 0.571,-0.264 0.338,-0.5 0.102,-0.5 0.102,0.5 0.338,0.5 0.571,0.264
  TOP region: -0.571,-0.264 -0.572,0.264 -0.338,0.5 -0.102,0.5 -0.102,-0.5 -0.338,-0.5 -0.571,-0.264
  TOP region: -0.571,-0.264 -0.572,0.264 -0.338,0.5 -0.102,0.5 -0.102,-0.5 -0.338,-0.5 -0.571,-0.264
SC70_8_2X2MM [mil] "SC70_8_2X2MM"
  rect 39x12 smd mask+1.97: 1(-35.35,29.5) 2(-35.35,9.8) 3(-35.35,-9.8) 4(-35.35,-29.5) 5(35.45,-29.5) 6(35.45,-9.8) 7(35.45,9.8) 8(35.45,29.5)
  silkscreen extent -70,38 49,52, body extent -55,-43 55,43, height 150
SC79 [mm] "SC79"
  rect 0.5x0.6 smd paste-0.05 mask+0.05: 1(-0.7,0) 2(0.7,0)
  silkscreen extent -1.08,-0.59 0.65,0.59
SMTC-TSM-105-01-X-DV [mm] "Double Row Gullwing ASM, 2x5 Pins, Vertical, 2.54mm Pitch, Male"
  rect 1.27x3.68 smd: 1(-5.08,-2.475) 2(-5.08,2.475) 3(-2.54,-2.475) 4(-2.54,2.475) 5(0,-2.475) 6(0,2.475) 7(2.54,-2.475) 8(2.54,2.475) 9(5.08,-2.475) 10(5.08,2.475)
  silkscreen extent -7.11,-2.66 6.35,2.54, body extent -6.35,-3.68 6.35,3.68, height 9.65
SOD123_112X67 [mil] "SOD123_112X67"
  rect 35.4x37.4 smd: 1(-62,0) 2(62,0)
  silkscreen extent -95,-39 95,39, body extent -52,-26 53,25, height 39
SON40P120X45_HS-7N [mm] "SON, 6-Leads, Body 1.20x1.20mm, Pitch 0.40mm, Thermal Pad 2.40x0.79mm, IPC Medium Density"
  rect 0.37x0.24 smd paste+0 mask+0.03: 1(-0.515,0.4) 2(-0.515,0) 3(-0.515,-0.4) 4(0.515,-0.4) 5(0.515,0) 6(0.515,0.4)
  rect 0.4x1.08 smd paste+0 mask+0.03: 7(0,0)
  silkscreen extent -0.96,0.62 -0.86,0.72, body extent -0.63,-0.63 0.63,0.63, height 0.45
SOT23-3N [mm] "SOT23, 3-Leads, Body 2.9x1.3mm, Pitch 0.95mm, Lead Span 2.5mm, IPC Medium Density"
  rect 1.5x0.6 smd: 1(-0.95,0.95) 2(-0.95,-0.95) 3(0.95,0)
  silkscreen extent -1.94,-1.5 0.7,1.54, body extent -1.35,-1.5 1.29,1.5, height 1.08
SOT95P280X145-5N [mm]
  rrect50% 1.21x0.59 smd: 1(-1.255,0.95) 2(-1.255,0) 3(-1.255,-0.95) 4(1.255,-0.95) 5(1.255,0.95)
  silkscreen extent -2.51,-1.45 0.8,1.45
SOT143L [mm]
  rect 1x1 smd: 1(-1,0.75)
  rect 1x0.6 smd: 2(-1,-0.95) 3(1,-0.95) 4(1,0.95)
  silkscreen extent -1.48,-1.5 0.3,1.93, body extent -1.21,-1.46 1.21,1.46, height 1
SSM-108-X-DV-P [mil] "SSM-108-X-DV-P"
  rect 40.2x87.4 smd: 1(350,-112.5) 2(350,112.5) 3(250,-112.5) 4(250,112.5) 5(150,-112.5) 6(150,112.5) 7(50,-112.5) 8(50,112.5) 9(-50,-112.5) 10(-50,112.5) 11(-150,-112.5) 12(-150,112.5) 13(-250,-112.5) 14(-250,112.5) 15(-350,-112.5) 16(-350,112.5)
  silkscreen extent -400,-141 416,100, body extent -400,-139 400,139, height 338
SSM-110-X-DV-P [mil] "SSM-110-X-DV-P"
  rect 40.2x87.4 smd: 1(450,-112.5) 2(450,112.5) 3(350,-112.5) 4(350,112.5) 5(250,-112.5) 6(250,112.5) 7(150,-112.5) 8(150,112.5) 9(50,-112.5) 10(50,112.5) 11(-50,-112.5) 12(-50,112.5) 13(-150,-112.5) 14(-150,112.5) 15(-250,-112.5) 16(-250,112.5) 17(-350,-112.5) 18(-350,112.5) 19(-450,-112.5) 20(-450,112.5)
  silkscreen extent -500,-140 515,100, body extent -500,-138 500,138, height 338
SW4_SPST_7P7_SM [mil]
  rect 110x40 smd: 1(-113.61,78.45) 2(114.39,78.45) 3(-113.61,-79.55) 4(114.39,-79.55)
  silkscreen extent -129,-130 129,128, body extent -134,-124 134,124, height 205
TC2030-IDC-NL [mil] "TC2030-IDC"
  round 30.98 smd paste-99999 mask+1.97: 1(-50,-25)
  round 30.98 smd paste-39.37 mask+1.97: 2(-50,25) 3(0,-25) 4(0,25) 5(50,-25) 6(50,25)
  round 39.02 hole 39.02 unplated paste-99999 mask+0: ""(-100,0) ""(100,-40) ""(100,40)
  TOP keep-out region: -69.6,0.39 70.32,0.39 70.32,-0.39 -69.6,-0.39
  silkscreen extent -129,-70 131,70
TP35H59P_1X8 [mil] "TP35H59P_1X8"
  round 59 hole 35: 1(350,0) 2(250,0) 3(150,0) 4(50,0) 5(-50,0) 6(-150,0) 7(-250,0) 8(-350,0)
TP35H59P_1X10 [mil] "TP35H59P_1X10"
  round 59 hole 35: 1(450,0) 2(350,0) 3(250,0) 4(150,0) 5(50,0) 6(-50,0) 7(-150,0) 8(-250,0) 9(-350,0) 10(-450,0)
TP5016_4.7x3.43 [mm] "SMD Test point loop"
  rect 4.7x3.43 smd mask+0.05: TP(0,0)
  body extent -1.91,-1.43 1.9,1.42, height 2.5
TPPAD_1.5mm [mm] "A 1.5mm Copper Pad Testpoint"
  round 1.5 smd paste-0.75: TP(0,0)
TSM-103-01-L-SV [mm]
  rect 1.27x3.43 smd: 1(-2.54,1.46) 2(0,-1.46) 3(2.54,1.46)
  silkscreen extent -4.26,-3.63 4.26,3.63, body extent -3.81,-2.64 3.81,2.64, height 9.65
TSM-104-XX-XXX-DV [mil] "TSM-104-XX-XXX-DV"
  rect 50x145 smd: 1(150,97.5) 2(150,-97.5) 3(50,97.5) 4(50,-97.5) 5(-50,97.5) 6(-50,-97.5) 7(-150,97.5) 8(-150,-97.5)
  silkscreen extent -220,-185 220,225, body extent -200,-145 200,145, height 380
TSOP6_1P70X3P10_ONS [mil]
  rect 39.5x22 smd paste+0 mask+0: 1(-53.25,37.4) 2(-53.25,0) 3(-53.25,-37.4) 4(53.25,-37.4) 5(53.25,0) 6(53.25,37.4)
  silkscreen extent -62,-66 38,72, body extent -34,-61 34,61, height 10
XOSC_ABM12W_1.2x1.6 [mm] "Footprint for the ABM12W series of Xtal oscilators"
  rect 0.73x0.58 smd mask+0.03: 1(0.5,0.35) 2(-0.5,0.35) 3(-0.5,-0.35) 4(0.5,-0.35)
  silkscreen extent -1,-0.75 1.11,0.87, body extent -0.8,-0.6 0.8,0.6, height 0.4
XTAL2-1p6x1p0-SM [mm] "XTAL2-1P6X1P0-SM"
  rect 0.5x1.001 smd: 1(-0.549,0) 2(0.549,0)
  body extent -0.8,-0.5 0.8,0.5, height 0.4